# Altium PCB PCB1.PcbDoc (part 1 of 2) (continued)
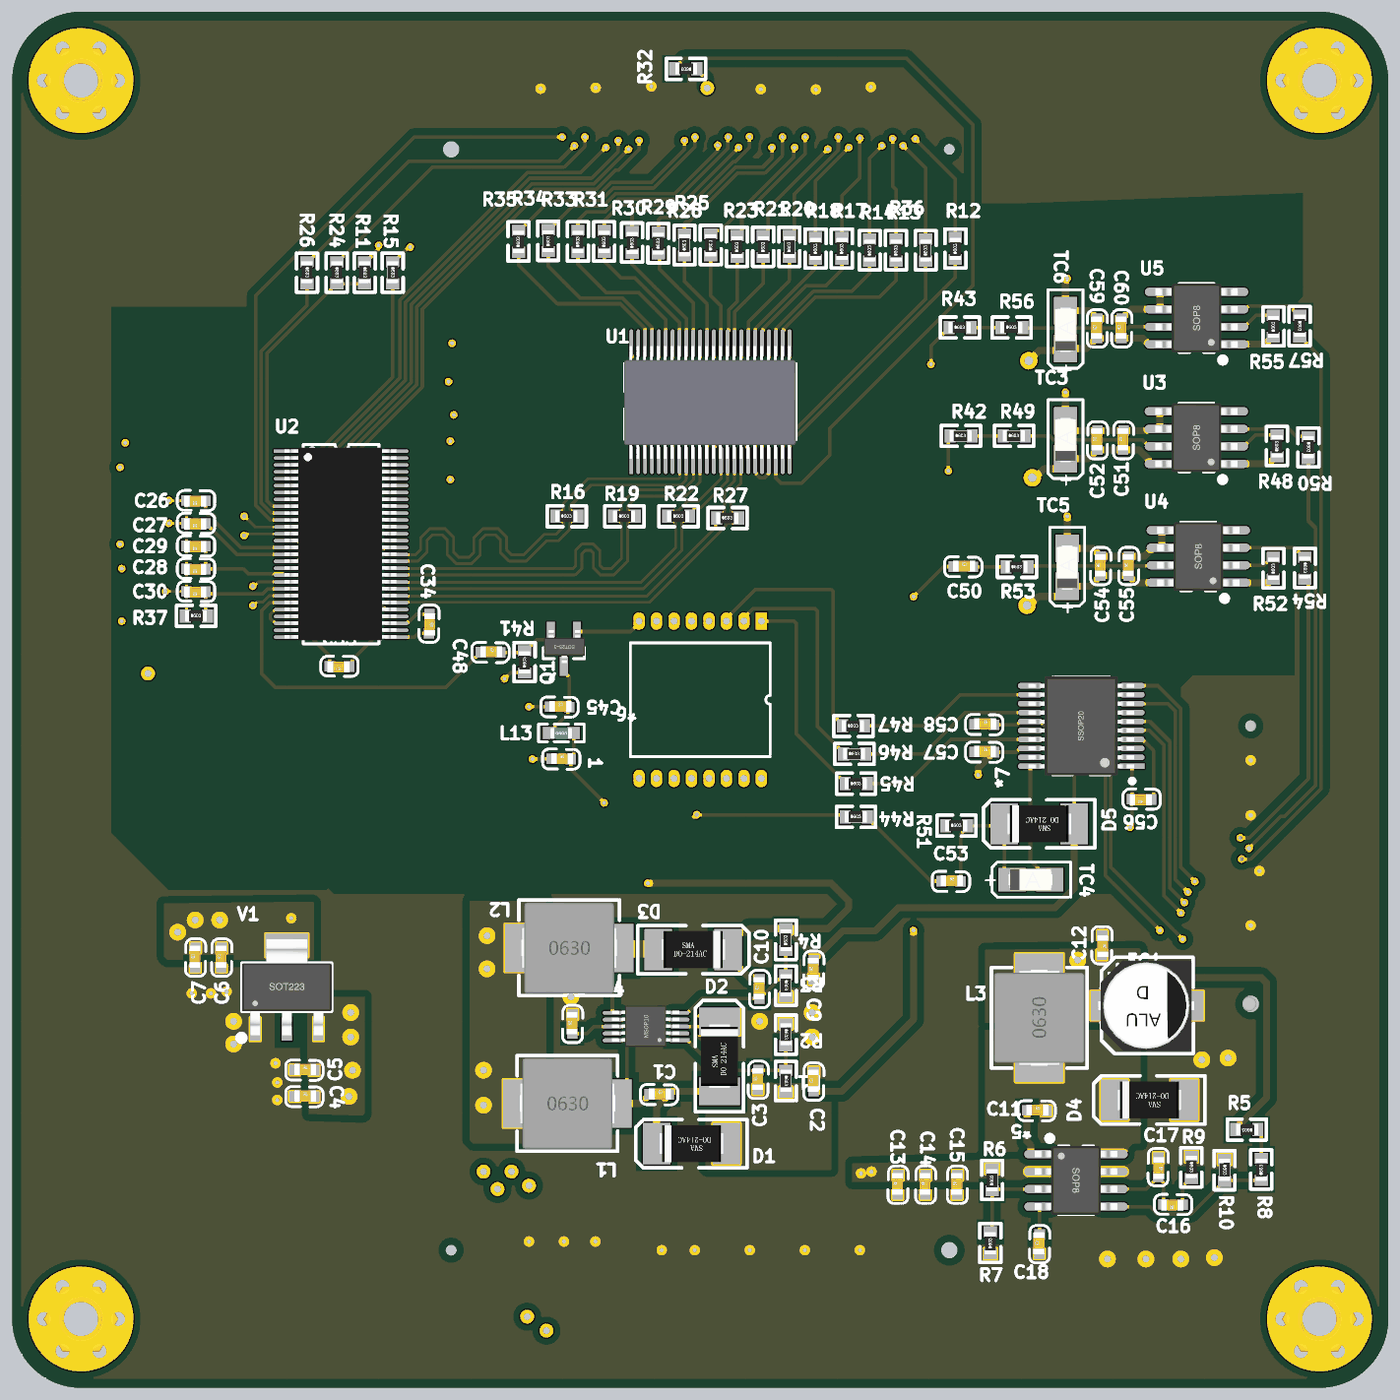
[diagram p6: 3D render of the assembled board from below, using the file's embedded part models]

## Layer stack, top to bottom
Top Solder: solder mask 0.4, Solder Resist, Dk 3.5
Top Layer: signal copper 1.4
Dielectric 2: prepreg 2.8, PP-006, Dk 4.1
GND2: plane copper 1.378, net (Multiple Nets)
Dielectric 1: dielectric 12.6, FR-4, Dk 4.8
PWR3: plane copper 1.378, net (Multiple Nets)
Dielectric 3: prepreg 2.8, PP-006, Dk 4.1
Bottom Layer: signal copper 1.4
Bottom Solder: solder mask 0.4, Solder Resist, Dk 3.5

## Board outline
-1968.5,-1771.65 -1968.5,1771.65 cw(c-1771.65,1771.65) -1771.65,1968.5 1771.65,1968.5 cw(c1771.65,1771.65) 1968.5,1771.65 1968.5,-1771.65 cw(c1771.65,-1771.65) 1771.65,-1968.5 -1771.65,-1968.5 cw(c-1771.65,-1771.65)

## Design rules (kind name [scope] priority, off if disabled: settings)
Clearance polygon [InPolygon] p1: gap=20 ignorepadtopadclearanceinfootprint=FALSE
Clearance [All] p2: gap=6 ignorepadtopadclearanceinfootprint=FALSE
DiffPairsRouting [All] p1: maxlimit=10 minlimit=10 mostfreqgap=10 toplayer_minwidth=6 toplayer_maxwidth=15 toplayer_prefwidth=8 bottomlayer_minwidth=6 bottomlayer_maxwidth=15 bottomlayer_prefwidth=8 maxuncoupledlength=500
PlaneClearance [All] p1: clearance=20
PlaneConnect [All] p1: planeconnectstyle=Direct reliefexpansion=20 reliefentries=4 reliefconductorwidth=10 reliefairgap=10
PolygonConnect [All] p1: connectstyle=Direct reliefconductorwidth=10 reliefentries=4 polygonreliefangle="90 Angle" airgapwidth=10
RoutingVias [All] p1: holewidth=12 width=22 viastyle="Through Hole" minholewidth=12 minwidth=22 maxholewidth=12 maxwidth=22
SolderMaskExpansion [All] p1: expansion=4 istentingtop=FALSE
Width pwr [InNetClass('pwr')] p1: maxlimit=50 minlimit=6 preferedwidth=20
Width sign [All] p2: maxlimit=50 minlimit=6 preferedwidth=10
27 further rules are at their usual default settings.

## Classes and differential pairs
net class pwr: 3v3 3V3IN 15V +5 +5IN +12 -7V5 AGND GND
component class timing: *7 C51 C52 C53 C54 C55 C56 C57 C58 C59 C60 D5 R48 R49 R50 R51 R52 R53 R54 R55 R56 R57 TC3 TC4 TC5 TC6 U3 U4 U5
component class power: *4 *5 C1 C2 C3 C4 C5 C6 C7 C8 C9 C10 C11 C12 C13 C14 C15 C16 C17 C18 D1 D2 D3 D4 EC1 L1 L2 L3 R1 R2 R3 R4 R5 R6 R7 R8 R9 R10 V1
component class connect: *1 *2 *3 SP1 SP2 SP3 SP4
component class CCD: 1 *6 C45 C46 C47 C48 C49 C50 L13 Q1 R40 R41 R42 R43 R44 R45 R46 R47 TC1 TC2
component class ADC: C19 C20 C21 C22 C23 C24 C25 C26 C27 C28 C29 C30 C31 C32 C33 C34 C35 C36 C37 C38 C39 C40 C41 C42 C43 C44 L4 L5 L6 L7 L8 L9 L10 L11 L12 R11 R12 R13 R14 R15 R16 R17 R18 R19 R20 R21 R22 R23 R24 R25 R26 R27 R28 R29 R30 R31 R32 R33 R34 R35 R36 R37 U1 U2
differential pair t2: +TXOUT2+ -TXOUT2-
differential pair t1: +TXOUT1+ -TXOUT1-
differential pair t0: +TXOUT0+ -TXOUT0-
differential pair txclk: +TXCLK+ -TXCLK-

## Components (designator, comment, footprint, x,y, rotation, side; value= is the part's Value field where it differs from the comment)
1 "1u" 0603C 425.21,-168.65 r180 bottom
*1 "BTB-08-40-G" BTB-08-40-M -1574.8,-472.44 r90 top locked
*2 "BTB-08-80-G" BTB-08-80-G 0,-1574.8 r180 top locked
*3 "BTB-08-80-G" BTB-08-80-G 0,1574.8 r0 top locked
*4 "LT1945" LT1945EMS 155,-935 r0 bottom
*5 "TPS54331DR" SOIC-8 -1075,-1375 r180 bottom
*6 "CCD424" CCD424 0,0 r270 bottom locked
*7 "CXD3400N" CXD3400N -1090,-75 r0 bottom
C1 "0.1u" 0603C 145.21,-1128.65 r180 bottom
C2 "1u" 0603C -323.65,-1120.21 r90 bottom
C3 "100P" 0603C -164.65,-1115.21 r90 bottom
C4 "4.7u" 0603C 1160.21,-1134.65 r180 bottom
C5 "0.1u" 0603C 1160.21,-1058.65 r180 bottom
C6 "4.7u" 0603C 1370.35,-765.21 r90 bottom
C7 "0.1u" 0603C 1445,-765 r90 bottom
C8 "4.7u" 0603C 366.35,-955.21 r90 bottom
C9 "1u" 0603C -323.65,-800.21 r90 bottom
C10 "4.7P" 0603C -168.65,-855.21 r90 bottom
C11 "0.1u" 0603C -934.79,-1174.65 r180 bottom
C12 "47U" 0603C -1150.35,-674.79 r270 bottom
C13 "4.7u" 0603C -564.65,-1415.21 r90 bottom
C14 "4.7u" 0603C -643.65,-1415.21 r90 bottom
C15 "0.01u" 0603C -734.65,-1415.21 r90 bottom
C16 "1000p" 0603C -1380.21,-1445.35 r0 bottom
C17 "47p" 0603C -1311.35,-1309.79 r270 bottom
C18 "0.01u" 0603C -969.65,-1585.21 r90 bottom
C19 "0.1u" 0603C 493.64,954.79 r90 top
C20 "0.1u" 0603C 139.79,900.35 r0 top
C21 "4.7u" 0603C -250.21,901.35 r0 top
C22 "0.1u" 0603C -120.21,901.35 r0 top
C23 "0.1u" 0603C 9.79,900.35 r0 top
C24 "4.7u" 0603C 491.92,817.44 r90 top
C25 "0.1u" 0603C 65.21,808.65 r180 top
C26 "0.1u" 0603C 1414.79,568.65 r0 bottom
C27 "0.1u" 0603C 1414.79,503.65 r0 bottom
C28 "0.1u" 0603C 1414.79,373.65 r0 bottom
C29 "4.7u" 0603C 1414.79,438.65 r0 bottom
C30 "0.1u" 0603C 1414.79,308.65 r0 bottom
C31 "4.7u" 0603C -134.79,813.65 r180 top
C32 "0.1u" 0603C 497.64,654.79 r90 top
C33 "0.1u" 0603C 1004.79,94.65 r0 bottom
C34 "0.1u" 0603C 774.65,245.21 r270 bottom
C35 "0.1u" 0603C 1416.35,225.21 r270 top
C36 "0.1u" 0603C 1279.65,269.79 r90 top
C37 "0.1u" 0603C 1303.65,469.79 r90 top
C38 "0.1u" 0603C 1089.65,244.79 r90 top
C39 "4.7u" 0603C 1093.65,394.79 r90 top
C40 "0.1u" 0603C 1565.21,734.65 r180 top
C41 "0.1u" 0603C 961.35,680.21 r270 top
C42 "4.7u" 0603C 961.35,560.21 r270 top
C43 "0.1u" 0603C 959.65,384.79 r90 top
C44 "4.7u" 0603C 1590.21,374.65 r180 top
C45 "1000p" 0603C 430.21,-19.65 r180 bottom
C46 "1000p" 0603C 69.79,145.35 r0 top
C47 "2200p" 0603C 65.21,-330.35 r180 top
C48 "1U" 0603C 627.71,136.35 r180 bottom
C49 "0.01u" 0603C 129.79,-328.65 r0 top
C50 "0.1u" 0603C -724.79,381.35 r180 bottom
C51 "0.1u" 0603C -1209.65,714.79 r90 bottom
C52 "0.1u" 0603C -1135.65,714.79 r90 bottom
C53 "0.1u" 0603C -689.79,-518.65 r180 bottom
C54 "0.1u" 0603C -1144.65,354.79 r90 bottom
C55 "0.1u" 0603C -1225,355 r90 bottom
C56 "0.1u" 0603C -1290.21,-285.35 r0 bottom
C57 "0.1u" 0603C -784.79,-148.65 r180 bottom
C58 "0.1u" 0603C -785,-70 r180 bottom
C59 "0.1u" 0603C -1134.65,1034.79 r90 bottom
C60 "0.1u" 0603C -1204.65,1034.79 r90 bottom
D1 "B340A" SMA/DO-214AC -70,-1270 r0 bottom
D2 "B340A" SMA/DO-214AC -55,-1115 r90 bottom
D3 "B340A" SMA/DO-214AC 115,-715 r180 bottom
D4 "B340A" SMA/DO-214AC -1380,-1145 r0 bottom
D5 "DIODE" SMA/DO-214AC -1065,-355 r0 bottom
EC1 "47u" SMD-EC6.3X6.3X10 -1181.27,-875.02 r180 bottom
L1 "22uH" L-SMD-0630 380,-1155 r180 bottom
L2 "4.7uH" L-SMD-0630 375,-710 r180 bottom
L3 "6.8uH" L-SMD-0630 -970,-910 r90 bottom
L4 "GZ1608D601TF" 0603L 660,1005 r180 top
L5 "GZ1608D601TF" 0603L 650,890 r180 top
L6 "GZ1608D601TF" 0603L 654.28,807.65 r180 top
L7 "GZ1608D601TF" 0603L 660,725 r180 top
L8 "GZ1608D601TF" 0603L 660,645 r180 top
L9 "GZ1608D601TF" 0603L 1580,155 r180 top
L10 "GZ1608D601TF" 0603L 1580,665 r180 top
L11 "GZ1608D601TF" 0603L 1580,225 r180 top
L12 "GZ1608D601TF" 0603L 1595,445 r180 top
L13 "GZ1608D601TF" 0603L 432.5,-95 r180 bottom
Q1 "NPN" SOT23-3 352.7,195 r0 bottom
R1 "123k" 0603R -245,-1060 r270 bottom
R2 "24.9k" 0603R -245,-927.01 r270 bottom
R3 "115k" 0603R -245,-787.01 r270 bottom
R4 "1m" 0603R -245,-717.99 r90 bottom
R5 "0R" 0603R -1595,-1230 r0 bottom
R6 "332k" 0603R -835,-1405 r90 bottom
R7 "68.1k" 0603R -830,-1585 r90 bottom
R8 "24.9k" 0603R -1605,-1375 r90 bottom
R9 "29.4k" 0603R -1405,-1307.01 r270 bottom
R10 "4.7k" 0603R -1500,-1315 r270 bottom
R11 "4.7K" 0603R 960,1252.99 r270 bottom
R12 "33R" 0603R -730,1260 r90 bottom
R13 "33R" 0603R -560,1255 r90 bottom
R14 "33R" 0603R -485,1255 r90 bottom
R15 "1K" 0603R 880,1252.99 r270 bottom
R16 "100R" 0603R 412.99,525 r180 bottom
R17 "33R" 0603R -405,1260 r90 bottom
R18 "33R" 0603R -330,1260 r90 bottom
R19 "100R" 0603R 247.99,525 r180 bottom
R20 "33R" 0603R -255,1265 r90 bottom
R21 "33R" 0603R -180,1265 r90 bottom
R22 "100R" 0603R 92.99,525 r180 bottom
R23 "33R" 0603R -105,1265 r90 bottom
R24 "33R" 0603R 1040,1252.99 r270 bottom
R25 "33R" 0603R -30,1270 r90 bottom
R26 "33R" 0603R 1125,1252.99 r270 bottom
R27 "100R" 0603R -47.01,520 r180 bottom
R28 "33R" 0603R 45,1270 r90 bottom
R29 "33R" 0603R 120,1275 r90 bottom
R30 "33R" 0603R 195,1277.01 r90 bottom
R31 "33R" 0603R 275,1280 r90 bottom
R32 "4.7k" 0603R 10,1805 r0 bottom
R33 "33R" 0603R 350,1280 r90 bottom
R34 "33R" 0603R 435,1282.01 r90 bottom
R35 "33R" 0603R 520,1280 r90 bottom
R36 "33R" 0603R -645,1255 r90 bottom
R37 "9.1k" 0603R 1472.99,240 r180 bottom
R40 "1m" 0603R 80,-120 r180 top
R41 "4.7k" 0603R 502.5,77.01 r90 bottom
R42 "0R" 0603R -715,755 r180 bottom
R43 "0R" 0603R -712.01,1065 r180 bottom
R44 "0R" 0603R -415,-335 r180 bottom
R45 "0R" 0603R -415,-240 r180 bottom
R46 "0R" 0603R -410,-155 r180 bottom
R47 "0R" 0603R -407.01,-75 r180 bottom
R48 "10K" 0603R -1650,695 r90 bottom
R49 "33R" 0603R -867.01,755 r180 bottom
R50 "51R" 0603R -1740,752.99 r270 bottom
R51 "100k" 0603R -702.01,-360 r180 bottom
R52 "10K" 0603R -1640,345 r90 bottom
R53 "33R" 0603R -875,380 r180 bottom
R54 "51R" 0603R -1730,407.99 r270 bottom
R55 "10K" 0603R -1640,1037.01 r90 bottom
R56 "33R" 0603R -860,1065 r180 bottom
R57 "51R" 0603R -1715,1100 r270 bottom
SP1 "M3铜柱" M3x4_N -1771.65,1771.65 r0 top locked
SP2 "M3铜柱" M3x4_N 1771.65,1771.65 r0 top locked
SP3 "M3铜柱" M3x4_N -1771.65,-1771.65 r0 top locked
SP4 "M3铜柱" M3x4_N 1771.65,-1771.65 r0 top locked
TC1 "3.3u" TAJ-A/3216 -155,-435 r0 top
TC2 "3.3u" TAJ-A/3216 200,-430 r180 top
TC3 "1u" TAJ-A/3216 -1045,688.15 r90 bottom
TC4 "1u" TAJ-A/3216 -890,-515 r180 bottom
TC5 "1u" TAJ-A/3216 -1050,323.15 r90 bottom
TC6 "1u" TAJ-A/3216 -1045,1003.15 r90 bottom
U1 "DS90CR218AMTDX/NOPB" TSSOP-48 197.16,685.35 r90 bottom locked
U2 "LM98725CCMTX/NOPB" TSSOP-56 1184.96,710.9 r180 bottom locked
U3 "EL7156CSZ-T7_C382008" SOIC-8 -1419.49,750 r0 bottom
U4 "EL7156CSZ-T7_C382008" SOIC-8 -1425,410 r0 bottom
U5 "EL7156CSZ-T7_C382008" SOIC-8 -1420,1092.01 r0 bottom
V1 "AMS1117-3V3" SOT223_L 1182.8,-822.46 r180 bottom locked

## Footprints (in the part's own frame and the unit in brackets; to place one, negate y for a bottom-side part, rotate by r counter-clockwise, add the part's x,y. Pads: shape width x height; smd on the part's side, far side on the other; paste and mask are expansions set on the pad)
0603C [mil]
  rect 30x30 smd: 1(0.21,-0.35) 2(55.21,-1.35)
  silkscreen extent -26,-30 81,28, body extent -1,-15 62,16, height 12
0603L [mil] "小功率贴片电感"
  rect 35x35 smd: 1(0,0) 2(70,0)
  silkscreen extent -30,-25 100,25, body extent 4,-16 66,15, height 31
0603R [mm]
  rect 0.8x0.965 smd: 1(0,0) 2(1.6,0)
  silkscreen extent -0.64,-0.76 2.21,0.76, body extent -0.04,-0.41 1.56,0.41, height 0.45
BTB-08-40-M [mm] "BTB 母座，0.8mm间距"
  rect 0.5x2 smd mask+0.051: 1(-7.6,-2.4) 2(-7.6,2.4) 3(-6.8,-2.4) 4(-6.8,2.4) 5(-6,-2.4) 6(-6,2.4) 7(-5.2,-2.4) 8(-5.2,2.4) 9(-4.4,-2.4) 10(-4.4,2.4) 11(-3.6,-2.4) 12(-3.6,2.4) 13(-2.8,-2.4) 14(-2.8,2.4) 15(-2,-2.4) 16(-2,2.4) 17(-1.2,-2.4) 18(-1.2,2.4) 19(-0.4,-2.4) 20(-0.4,2.4) 21(0.4,-2.4) 22(0.4,2.4) 23(1.2,-2.4) 24(1.2,2.4) 25(2,-2.4) 26(2,2.4) 27(2.8,-2.4) 28(2.8,2.4) 29(3.6,-2.4) 30(3.6,2.4) 31(4.4,-2.4) 32(4.4,2.4) 33(5.2,-2.4) 34(5.2,2.4) 35(6,-2.4) 36(6,2.4) 37(6.8,-2.4) 38(6.8,2.4) 39(7.6,-2.4) 40(7.6,2.4)
  Keep-Out Layer board cut-out: 9.7,0 9.73,-0.153 9.817,-0.283 9.947,-0.37 10.1,-0.4 10.1,-0.4 10.253,-0.37 10.383,-0.283 10.47,-0.153 10.5,0 10.5,0 10.47,0.153 10.383,0.283 10.253,0.37 10.1,0.4 10.1,0.4 9.947,0.37 9.817,0.283 9.73,0.153 9.7,0
  Keep-Out Layer board cut-out: -10.1,-0.6 -10.33,-0.554 -10.524,-0.424 -10.654,-0.23 -10.7,0 -10.7,0 -10.654,0.229 -10.524,0.424 -10.33,0.554 -10.1,0.6 -10.1,0.6 -9.87,0.554 -9.676,0.424 -9.546,0.229 -9.5,0 -9.5,0 -9.546,-0.23 -9.676,-0.424 -9.87,-0.554 -10.1,-0.6
  silkscreen extent -10.9,-3.63 11,3, body extent -10.89,-3.12 10.91,2.88, height 3.85
BTB-08-80-G [mm] "BTB 公座，0.8mm间距"
  rect 0.5x2 smd mask+0.051: 1(-15.6,2.4) 2(-15.6,-2.4) 3(-14.8,2.4) 4(-14.8,-2.4) 5(-14,2.4) 6(-14,-2.4) 7(-13.2,2.4) 8(-13.2,-2.4) 9(-12.4,2.4) 10(-12.4,-2.4) 11(-11.6,2.4) 12(-11.6,-2.4) 13(-10.8,2.4) 14(-10.8,-2.4) 15(-10,2.4) 16(-10,-2.4) 17(-9.2,2.4) 18(-9.2,-2.4) 19(-8.4,2.4) 20(-8.4,-2.4) 21(-7.6,2.4) 22(-7.6,-2.4) 23(-6.8,2.4) 24(-6.8,-2.4) 25(-6,2.4) 26(-6,-2.4) 27(-5.2,2.4) 28(-5.2,-2.4) 29(-4.4,2.4) 30(-4.4,-2.4) 31(-3.6,2.4) 32(-3.6,-2.4) 33(-2.8,2.4) 34(-2.8,-2.4) 35(-2,2.4) 36(-2,-2.4) 37(-1.2,2.4) 38(-1.2,-2.4) 39(-0.4,2.4) 40(-0.4,-2.4) 41(0.4,2.4) 42(0.4,-2.4) 43(1.2,2.4) 44(1.2,-2.4) 45(2,2.4) 46(2,-2.4) 47(2.8,2.4) 48(2.8,-2.4) 49(3.6,2.4) 50(3.6,-2.4) 51(4.4,2.4) 52(4.4,-2.4) 53(5.2,2.4) 54(5.2,-2.4) 55(6,2.4) 56(6,-2.4) 57(6.8,2.4) 58(6.8,-2.4) 59(7.6,2.4) 60(7.6,-2.4) 61(8.4,2.4) 62(8.4,-2.4) 63(9.2,2.4) 64(9.2,-2.4) 65(10,2.4) 66(10,-2.4) 67(10.8,2.4) 68(10.8,-2.4) 69(11.6,2.4) 70(11.6,-2.4) 71(12.4,2.4) 72(12.4,-2.4) 73(13.2,2.4) 74(13.2,-2.4) 75(14,2.4) 76(14,-2.4) 77(14.8,2.4) 78(14.8,-2.4) 79(15.6,2.4) 80(15.6,-2.4)
  Keep-Out Layer board cut-out: 17.5,0 17.546,-0.23 17.676,-0.424 17.87,-0.554 18.1,-0.6 18.1,-0.6 18.33,-0.554 18.524,-0.424 18.654,-0.23 18.7,0 18.7,0 18.654,0.23 18.524,0.424 18.33,0.554 18.1,0.6 18.1,0.6 17.87,0.554 17.676,0.424 17.546,0.23 17.5,0
  Keep-Out Layer board cut-out: -18.099,-0.4 -18.253,-0.37 -18.382,-0.283 -18.469,-0.153 -18.499,0 -18.499,0 -18.469,0.153 -18.382,0.283 -18.253,0.37 -18.099,0.4 -18.099,0.4 -17.946,0.37 -17.817,0.283 -17.73,0.153 -17.699,0 -17.699,0 -17.73,-0.153 -17.817,-0.283 -17.946,-0.37 -18.099,-0.4
  silkscreen extent -18.99,-3.07 19.11,3.73
CCD424 [mil]
  rect 50x33 hole 20: 1(-225,175)
  oval 50x33 hole 20: 2(-225,125) 3(-225,75) 4(-225,25) 5(-225,-25) 6(-225,-75) 7(-225,-125) 8(-225,-175) 9(225,-175) 10(225,-125) 11(225,-75) 12(225,-25) 13(225,25) 14(225,75) 15(225,125) 16(225,175)
  silkscreen extent -163,-200 163,200
CXD3400N [mm] "SSOP20"
  rect 1.8x0.4 smd: 1(-3.7,2.925)
  oval 1.8x0.4 smd: 2(-3.7,2.275) 3(-3.7,1.625) 4(-3.7,0.975) 5(-3.7,0.325) 6(-3.7,-0.325) 7(-3.7,-0.975) 8(-3.7,-1.625) 9(-3.7,-2.275) 10(-3.7,-2.925) 11(3.7,-2.925) 12(3.7,-2.275) 13(3.7,-1.625) 14(3.7,-0.975) 15(3.7,-0.325) 16(3.7,0.325) 17(3.7,0.975) 18(3.7,1.625) 19(3.7,2.275) 20(3.7,2.925)
  silkscreen extent -3.83,-3.56 2.07,4.13, body extent -3.85,-3.6 3.85,3.6, height 1.65
L-SMD-0630 [mm] "一体化成型电感"
  rect 3x3.5 smd: 1(-3.175,0) 2(3.175,0)
  silkscreen extent -3.66,-3.48 3.66,3.48, body extent -3.47,-3.3 3.48,3.3
LT1945EMS [mm] "MSOP10"
  rect 1.4x0.28 smd: 1(-2.45,1)
  oval 1.4x0.28 smd: 2(-2.45,0.5) 3(-2.45,0) 4(-2.45,-0.5) 5(-2.45,-1) 6(2.45,-1) 7(2.45,-0.5) 8(2.45,0) 9(2.45,0.5) 10(2.45,1)
  silkscreen extent -1.3,-1.3 1.3,1.3, body extent -2.42,-1.52 2.48,1.48, height 0.95
M3x4_N [mil] "M3铜柱，长：4mm"
  round 40 hole 40: 1(-106,0) 1(-53,-91.8) 1(-53,91.8) 1(53,-91.8) 1(53,91.8) 1(106,0)
  round 300 hole 125: 1(0,0)
  silkscreen extent -157,-157 157,157, body extent -106,-93 106,93, height 159
SMA/DO-214AC [mm] "塑封二极管"
  rect 2x3 smd: A(-0.127,0) K(4.953,0)
  silkscreen extent -1.63,-1.75 6.48,1.75, body extent 0.11,-1.35 4.71,1.35, height 2.4
SMD-EC6.3X6.3X10 [mm]
  rect 3.3x2.132 smd: 1(0.021,0) 2(4.921,0)
  silkscreen extent -0.88,-3.5 5.84,3.5, body extent -1.09,-3.3 5.91,3.3, height 5.4
SOIC-8 [mm]
  oval 2.2x0.6 smd: 1(-2.654,1.905) 2(-2.654,0.635) 3(-2.654,-0.635) 4(-2.654,-1.905) 5(2.654,-1.905) 6(2.654,-0.635) 7(2.654,0.635) 8(2.654,1.905)